# KiCad board Koca.kicad_pcb
title: Lily58 Koca; date: 2025-02-14; rev: 3
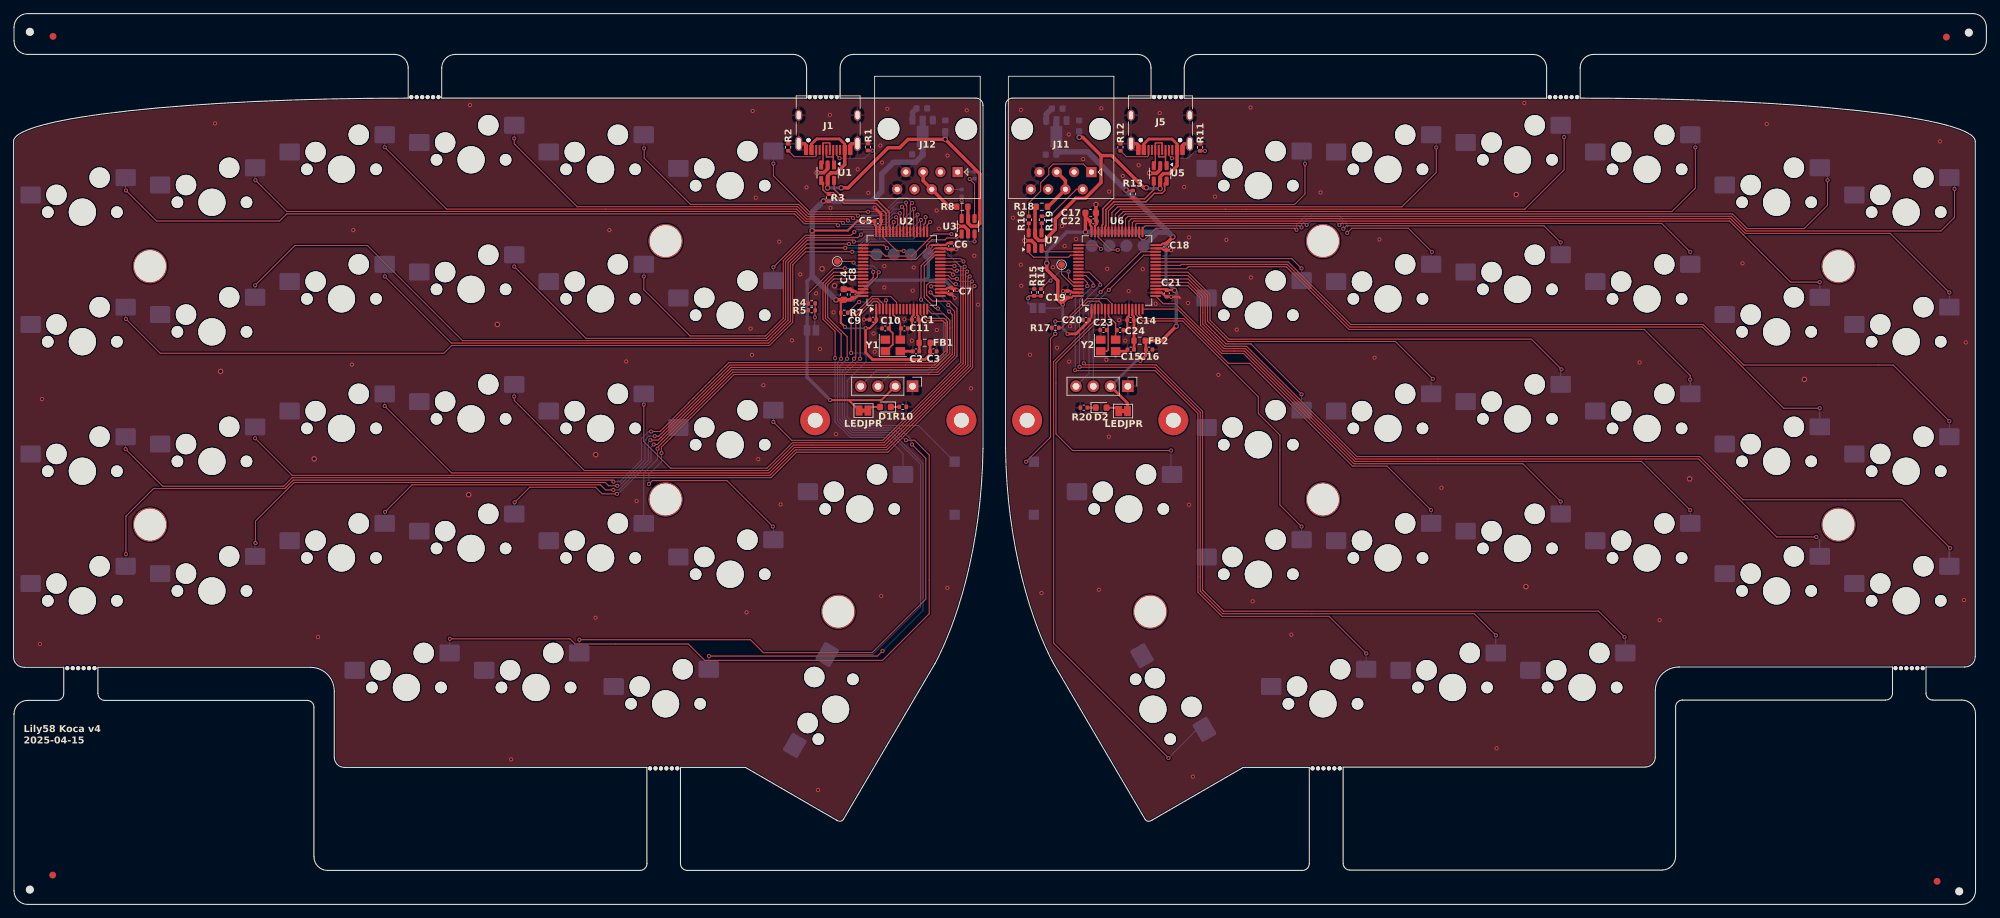
[diagram p0: board, top side]
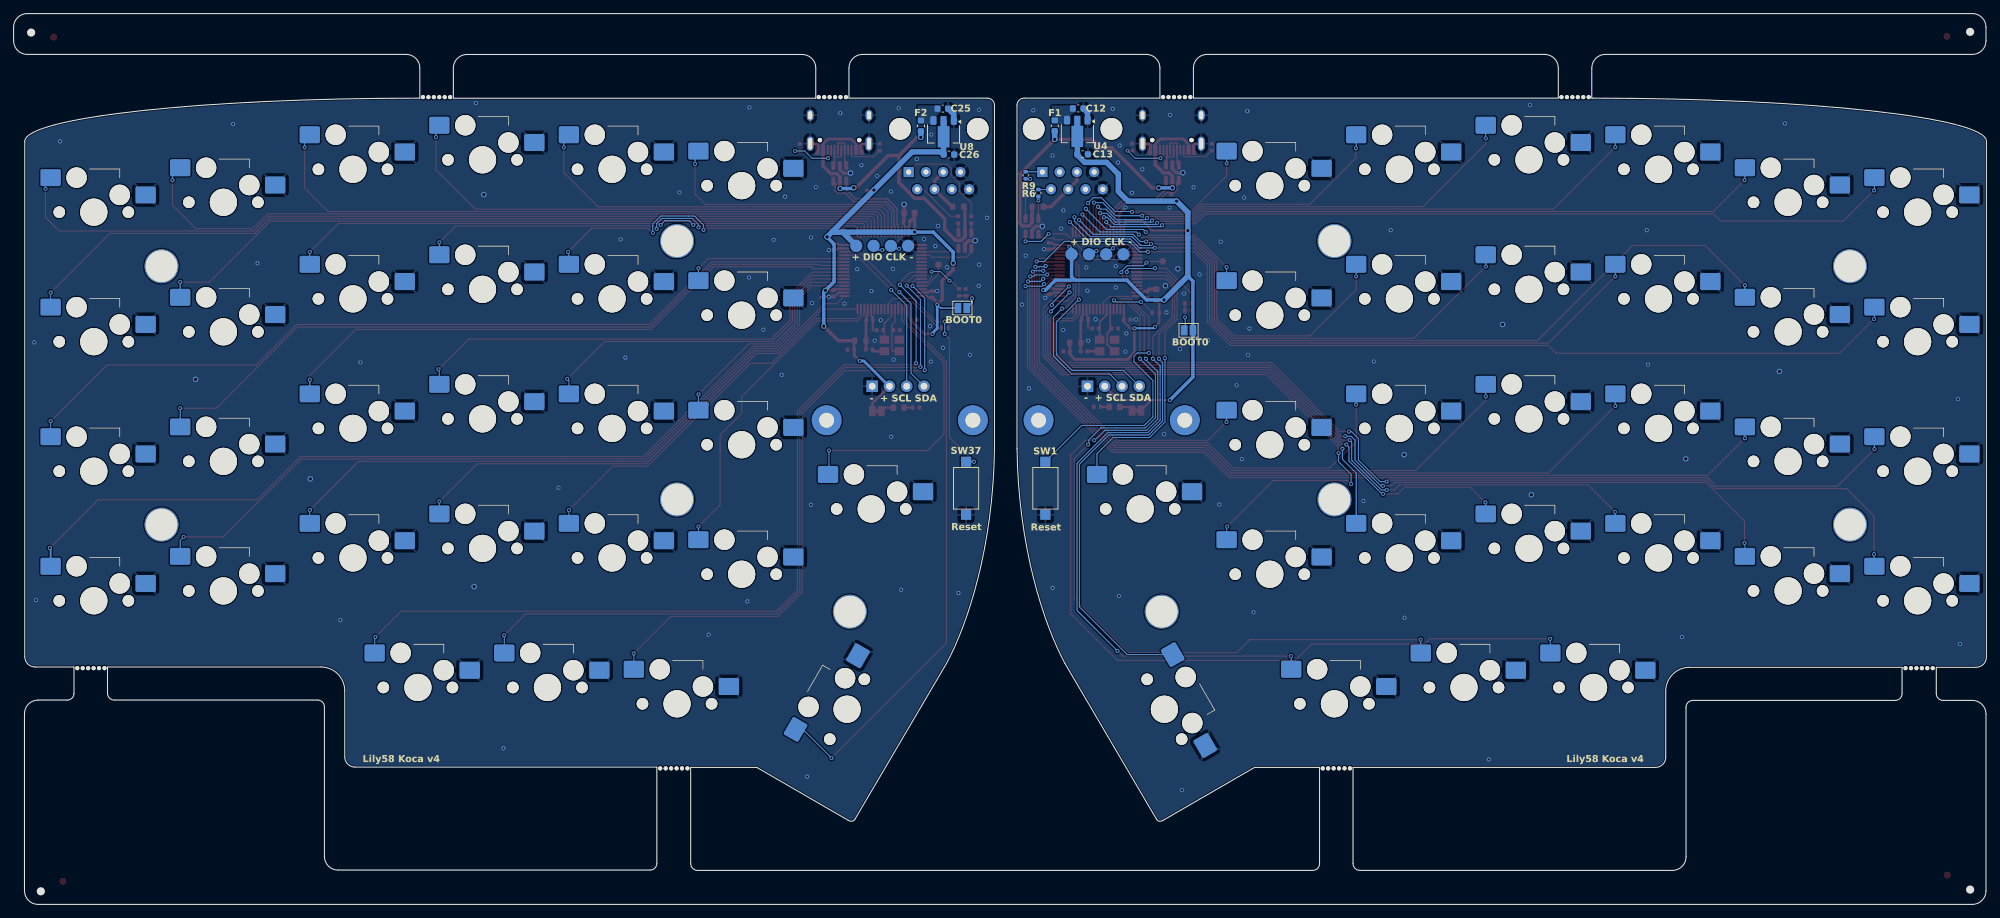
[diagram p1: board, bottom side, seen from below]

Outline 290.06 x 131 mm; copper layers: Top, Bottom. Coordinates in mm from the lower left corner of the outline.
Outline path: 0,36.37 0,112.22 ; 1.56,34.87 7.37,34.87 7.37,31 arc(7.08,30.29) 6.37,30 2.06,30 arc(0.65,29.41) 0.06,28 0.06,2 arc(0.65,0.59) 2.06,0 286.46,0 arc(287.87,0.59) 288.46,2 288.46,28.05 arc(287.87,29.46) 286.46,30.05 282.18,30.05 arc(281.47,30.34) 281.18,31.05 281.18,34.91 286.87,34.91 ; 43.65,34.87 12.4,34.87 12.4,31 arc(12.69,30.29) 13.4,30 43.16,30 arc(43.87,29.71) 44.16,29 44.16,7 arc(44.75,5.59) 46.16,5 92.12,5 arc(92.83,5.29) 93.12,6 93.12,20.15 48.65,20.15 ; 47.15,21.62 47.15,31.37 ; 58.02,118.57 58.02,123 arc(57.43,124.41) 56.02,125 2.06,125 arc(0.65,125.59) 0.06,127 0.06,129 arc(0.65,130.41) 2.06,131 288.06,131 arc(289.47,130.41) 290.06,129 290.06,127 arc(289.47,125.59) 288.06,125 232.33,125 arc(230.92,124.41) 230.33,123 230.33,118.57 ; 121.01,12.39 107.6,20.15 98.05,20.15 98.05,6 arc(98.34,5.29) 99.05,5 189.51,5 arc(190.21,5.29) 190.5,6 190.5,20.15 180.77,20.15 167.37,12.39 ; 141.48,118.57 121.52,118.57 121.52,123 arc(122.1,124.41) 123.52,125 165.24,125 arc(166.65,124.41) 167.24,123 167.24,118.57 146.9,118.57 ; 122.02,12.53 135.47,35.42 ; 142.53,117.52 142.53,67.06 ; 145.85,67.06 145.85,117.52 ; 152.9,35.42 166.36,12.53 ; 239.87,20.19 195.48,20.19 195.48,6.05 arc(195.78,5.34) 196.48,5.05 242.36,5.05 arc(243.77,5.63) 244.36,7.05 244.36,29.05 arc(244.65,29.75) 245.36,30.05 275.25,30.05 arc(275.96,30.34) 276.25,31.05 276.25,34.91 244.87,34.91 ; 241.37,21.67 241.37,31.41 ; 288.42,112.22 288.42,36.46 ; 62.95,123 arc(63.53,124.41) 64.95,125 114.59,125 arc(116,124.41) 116.59,123 116.59,118.57 62.95,118.57 62.95,123 ; 172.11,122.99 arc(172.7,124.4) 174.11,124.99 223.4,124.99 arc(224.82,124.4) 225.4,122.99 225.4,118.56 172.11,118.56 172.11,122.99
Stack: Top 0.035mm / dielectric 1.51mm FR4 er 4.5 / Bottom 0.035mm

## Placement (name value [footprint] x y rotation side)
C1  10n  [C_0402_1005Metric]  132.56 86 180 top
C2  1u  [C_0402_1005Metric]  132.69 81.33 180 top
C3  1u  [C_0402_1005Metric]  135.23 81.33 0 top
C4  10u  [C_0603_1608Metric]  122.06 89.7 90 top
C5  100n  [C_0402_1005Metric]  127.06 100.5 0 top
C6  100n  [C_0402_1005Metric]  137.86 96.8 270 top
C7  100n  [C_0402_1005Metric]  137.86 90.2 270 top
C8  100n  [C_0402_1005Metric]  123.36 89.7 90 top
C9  100n  [C_0402_1005Metric]  126.36 86 180 top
C10  30p  [C_0402_1005Metric]  128.16 84.7 180 top
C11  30p  [C_0402_1005Metric]  130.98 84.7 0 top
C12  22u  [C_0603_1608Metric]  133.53 117.05 180 bottom
C13  22u  [C_0603_1608Metric]  132.88 110.3 180 bottom
C14  10n  [C_0402_1005Metric]  164.22 85.92 180 top
C15  1u  [C_0402_1005Metric]  164.26 81.6 180 top
C16  1u  [C_0402_1005Metric]  166.96 81.6 0 top
C17  10u  [C_0603_1608Metric]  158.36 101.7 0 top
C18  100n  [C_0402_1005Metric]  169.49 96.7 270 top
C19  100n  [C_0402_1005Metric]  154.99 89.72 90 top
C20  100n  [C_0402_1005Metric]  157.69 85.97 180 top
C21  100n  [C_0402_1005Metric]  169.55 89.86 270 top
C22  100n  [C_0402_1005Metric]  158.76 100.45 0 top
C23  30p  [C_0402_1005Metric]  160.25 84.47 180 top
C24  30p  [C_0402_1005Metric]  162.69 84.45 0 top
C25  22u  [C_0603_1608Metric]  153.44 117.03 180 bottom
C26  22u  [C_0603_1608Metric]  152.53 110.28 180 bottom
D1  WHITE  [LED_0603_1608Metric]  128.19 73.15 180 top
D2  WHITE  [LED_0603_1608Metric]  159.91 73.05 0 top
F1  Polyfuse  [Fuse_0603_1608Metric]  136.99 114.51 90 bottom
F2  Polyfuse  [Fuse_0603_1608Metric]  156.66 114.5 90 bottom
FB1  120R  [R_0603_1608Metric]  133.96 82.6 0 top
FB2  120R  [R_0603_1608Metric]  165.56 82.9 0 top
FID1  Fiducial  [Fiducial_1mm_Mask2mm]  5.74 4.31 0 top
FID2  Fiducial  [Fiducial_1mm_Mask2mm]  282.81 3.4 0 top
FID3  Fiducial  [Fiducial_1mm_Mask2mm]  284.18 127.55 0 top
FID4  Fiducial  [Fiducial_1mm_Mask2mm]  5.8 127.65 0 top
H1  tab  [MouseBite]  9.89 34.89 0 top
H2  tab  [MouseBite]  95.58 20.16 0 top
H3  SMALL_HOLE  [MountingHole_2.2mm_M2_Pad]  170.52 71.2 0 top
H4  SMALL_HOLE  [MountingHole_2.2mm_M2_Pad]  149.02 71.2 0 top
H5  tab  [MouseBite]  192.99 20.16 0 top
H6  tab  [MouseBite]  278.7 34.89 0 top
H7  SMALL_HOLE  [MountingHole_2.2mm_M2_Pad]  139.36 71.2 0 top
H8  SMALL_HOLE  [MountingHole_2.2mm_M2_Pad]  117.86 71.2 0 top
H9  tab  [MouseBite]  60.47 118.56 180 top
H10  tab  [MouseBite]  119.05 118.56 180 top
H11  tab  [MouseBite]  169.68 118.56 180 top
H12  tab  [MouseBite]  227.87 118.56 180 top
H13  HOLE  [Standoff_Hole]  192.52 59.55 0 top
H14  HOLE  [Standoff_Hole]  192.52 97.55 0 top
H15  HOLE  [Standoff_Hole]  95.86 59.55 0 top
H16  ToolingHole  [SMD_Tooling_Hole]  2.39 2.18 0 top
H17  ToolingHole  [SMD_Tooling_Hole]  286.06 1.92 0 top
H18  HOLE  [Standoff_Hole]  95.86 97.55 0 top
H19  HOLE  [Standoff_Hole]  268.32 55.85 0 top
H20  HOLE  [Standoff_Hole]  167.12 43.05 0 top
H21  ToolingHole  [SMD_Tooling_Hole]  287.48 128.21 0 top
H22  ToolingHole  [SMD_Tooling_Hole]  2.39 128.31 0 top
H23  HOLE  [Standoff_Hole]  268.32 93.85 0 top
H24  HOLE  [Standoff_Hole]  121.26 43.05 0 top
H25  HOLE  [Standoff_Hole]  20.06 55.85 0 top
H26  HOLE  [Standoff_Hole]  20.06 93.85 0 top
J1  USB_C_Receptacle_USB2.0_16P  [USB_TYPE-C-31-M-12]  119.76 115 180 top
J2  Conn_01x04_Pin  [SWD_POGO]  130.69 95.6 0 bottom
J3  Conn_01x04_Pin  [PinHeader_1x04_P2.54mm_Vertical]  132.17 76.2 270 top
J5  USB_C_Receptacle_USB2.0_16P  [USB_TYPE-C-31-M-12]  168.62 115 180 top
J6  Conn_01x04_Pin  [SWD_POGO]  162.35 96.85 0 bottom
J7  Conn_01x04_Pin  [PinHeader_1x04_P2.54mm_Vertical]  163.83 76.2 270 top
J11  RJ45  [RJ45_Amphenol_54602-x08_Horizontal]  154.02 111.7 180 top
J12  RJ45  [RJ45_Amphenol_54602-x08_Horizontal]  134.36 111.7 180 top
JP1  SolderJumper_2_Open  [SolderJumper-2_P1.3mm_Open_Pad1.0x1.5mm]  117.31 84.42 0 bottom
JP2  SolderJumper_2_Open  [SolderJumper-2_P1.3mm_Bridged_Pad1.0x1.5mm]  124.96 72.62 0 top
JP3  SolderJumper_2_Open  [SolderJumper-2_P1.3mm_Open_Pad1.0x1.5mm]  150.56 87.7 180 bottom
JP4  SolderJumper_2_Open  [SolderJumper-2_P1.3mm_Bridged_Pad1.0x1.5mm]  163.13 72.55 180 top
R1  5k1  [R_0402_1005Metric]  125.61 111.38 270 top
R2  5k1  [R_0402_1005Metric]  113.88 111.35 270 top
R3  1k5  [R_0402_1005Metric]  119.86 103.92 90 top
R4  10k  [R_0402_1005Metric]  117.35 88.38 0 top
R5  10k  [R_0402_1005Metric]  117.35 87.37 0 top
R6  470  [R_0402_1005Metric]  139.38 104.62 270 bottom
R7  10k  [R_0402_1005Metric]  122.13 87.01 180 top
R8  4.7  [R_0603_1608Metric]  139.49 102.6 0 top
R9  470  [R_0402_1005Metric]  141.26 107.22 270 bottom
R10  10k  [R_0402_1005Metric]  130.74 73.18 0 top
R11  5k1  [R_0402_1005Metric]  174.46 111.33 270 top
R12  5k1  [R_0402_1005Metric]  162.74 111.35 270 top
R13  1k5  [R_0402_1005Metric]  164.56 104.47 270 top
R14  10k  [R_0402_1005Metric]  151.06 90 270 top
R15  10k  [R_0402_1005Metric]  150.06 90 270 top
R16  470  [R_0402_1005Metric]  149.26 100.67 270 top
R17  10k  [R_0402_1005Metric]  153.16 84.8 180 top
R18  4.7  [R_0603_1608Metric]  151.19 102.6 180 top
R19  470  [R_0402_1005Metric]  151.19 100.69 270 top
R20  10k  [R_0402_1005Metric]  157.36 73.05 180 top
SW1  SW_Push  [SW_SPST_CK_RS282G05A3]  138.36 61.2 90 bottom
SW2  SW_Push  [MX_Hotswap]  10.11 101.8 180 bottom
SW3  SW_Push  [MX_Hotswap]  29.16 103.25 180 bottom
SW4  SW_Push  [MX_Hotswap]  48.21 108.1 180 bottom
SW5  SW_Push  [MX_Hotswap]  67.26 109.5 180 bottom
SW6  SW_Push  [MX_Hotswap]  86.31 108.1 180 bottom
SW7  SW_Push  [MX_Hotswap]  105.36 105.7 180 bottom
SW8  SW_Push  [MX_Hotswap]  10.11 82.75 180 bottom
SW9  SW_Push  [MX_Hotswap]  29.16 84.2 180 bottom
SW10  SW_Push  [MX_Hotswap]  48.21 89.05 180 bottom
SW11  SW_Push  [MX_Hotswap]  67.26 90.45 180 bottom
SW12  SW_Push  [MX_Hotswap]  86.31 89.05 180 bottom
SW13  SW_Push  [MX_Hotswap]  105.36 86.65 180 bottom
SW14  SW_Push  [MX_Hotswap]  10.11 63.7 180 bottom
SW15  SW_Push  [MX_Hotswap]  29.16 65.15 180 bottom
SW16  SW_Push  [MX_Hotswap]  48.21 70 180 bottom
SW17  SW_Push  [MX_Hotswap]  67.26 71.4 180 bottom
SW18  SW_Push  [MX_Hotswap]  86.31 70 180 bottom
SW19  SW_Push  [MX_Hotswap]  105.36 67.6 180 bottom
SW20  SW_Push  [MX_Hotswap]  10.11 44.65 180 bottom
SW21  SW_Push  [MX_Hotswap]  29.16 46.1 180 bottom
SW22  SW_Push  [MX_Hotswap]  48.21 50.95 180 bottom
SW23  SW_Push  [MX_Hotswap]  67.26 52.35 180 bottom
SW24  SW_Push  [MX_Hotswap]  86.31 50.95 180 bottom
SW25  SW_Push  [MX_Hotswap]  105.36 48.55 180 bottom
SW26  SW_Push  [MX_Hotswap]  57.76 31.9 180 bottom
SW27  SW_Push  [MX_Hotswap]  76.81 31.9 180 bottom
SW28  SW_Push  [MX_Hotswap]  95.86 29.5 180 bottom
SW29  SW_Push  [MX_Hotswap]  120.86 28.7 240 bottom
SW30  SW_Push  [MX_Hotswap]  124.41 58.15 180 bottom
SW31  SW_Push  [MX_Hotswap]  183.02 105.7 180 bottom
SW32  SW_Push  [MX_Hotswap]  202.07 108.1 180 bottom
SW33  SW_Push  [MX_Hotswap]  221.12 109.5 180 bottom
SW34  SW_Push  [MX_Hotswap]  240.17 108.1 180 bottom
SW35  SW_Push  [MX_Hotswap]  259.22 103.25 180 bottom
SW36  SW_Push  [MX_Hotswap]  278.27 101.8 180 bottom
SW37  SW_Push  [SW_SPST_CK_RS282G05A3]  150.02 61.2 90 bottom
SW38  SW_Push  [MX_Hotswap]  183.02 86.65 180 bottom
SW39  SW_Push  [MX_Hotswap]  202.07 89.05 180 bottom
SW40  SW_Push  [MX_Hotswap]  221.12 90.45 180 bottom
SW41  SW_Push  [MX_Hotswap]  240.17 89.05 180 bottom
SW42  SW_Push  [MX_Hotswap]  259.22 84.2 180 bottom
SW43  SW_Push  [MX_Hotswap]  278.27 82.75 180 bottom
SW44  SW_Push  [MX_Hotswap]  183.02 67.6 180 bottom
SW45  SW_Push  [MX_Hotswap]  202.07 70 180 bottom
SW46  SW_Push  [MX_Hotswap]  221.12 71.4 180 bottom
SW47  SW_Push  [MX_Hotswap]  240.17 70 180 bottom
SW48  SW_Push  [MX_Hotswap]  259.22 65.15 180 bottom
SW49  SW_Push  [MX_Hotswap]  278.27 63.7 180 bottom
SW50  SW_Push  [MX_Hotswap]  183.02 48.55 180 bottom
SW51  SW_Push  [MX_Hotswap]  202.07 50.95 180 bottom
SW52  SW_Push  [MX_Hotswap]  221.12 52.35 180 bottom
SW53  SW_Push  [MX_Hotswap]  240.17 50.95 180 bottom
SW54  SW_Push  [MX_Hotswap]  259.22 46.1 180 bottom
SW55  SW_Push  [MX_Hotswap]  278.27 44.65 180 bottom
SW56  SW_Push  [MX_Hotswap]  163.97 58.15 180 bottom
SW57  SW_Push  [MX_Hotswap]  167.52 28.7 120 bottom
SW58  SW_Push  [MX_Hotswap]  192.52 29.5 180 bottom
SW59  SW_Push  [MX_Hotswap]  211.57 31.9 180 bottom
SW60  SW_Push  [MX_Hotswap]  230.62 31.9 180 bottom
TP1  TestPoint  [TestPoint_Pad_D1.0mm]  121.11 94.56 0 top
TP2  TestPoint  [TestPoint_Pad_D1.0mm]  154.08 94.07 0 top
U1  USBLC6-2SC6  [SOT-23-6]  119.69 107.6 270 top
U2  STM32F103RCTx  [LQFP-64_10x10mm_P0.5mm]  130.58 93.22 90 top
U3  USBLC6-2SC6  [SOT-23-6]  140.34 99.72 90 top
U4  AMS1117-3.3  [SOT-89-3]  133.66 113.38 270 bottom
U5  USBLC6-2SC6  [SOT-23-6]  168.59 107.5 270 top
U6  STM32F103RCTx  [LQFP-64_10x10mm_P0.5mm]  162.24 93.22 90 top
U7  USBLC6-2SC6  [SOT-23-6]  150.19 97.61 90 top
U8  AMS1117-3.3  [SOT-89-3]  153.32 113.33 270 bottom
Y1  12Mhz  [Crystal_SMD_3225-4Pin_3.2x2.5mm]  129.28 82.2 0 top
Y2  12Mhz  [Crystal_SMD_3225-4Pin_3.2x2.5mm]  160.94 82.2 0 top

## Library data of the parts
C1-C26 = -: ki_fp_filters: C_*
D1 D2 = -: ki_fp_filters: LED* LED_SMD:* LED_THT:*
F1 F2 = -: Description: Resettable fuse, polymeric positive temperature coefficient; ki_fp_filters: *polyfuse* *PTC*
FB1 FB2 = -: ki_fp_filters: Inductor_* L_* *Ferrite*
FID1-FID4 = -: Description: Fiducial Marker; ki_fp_filters: Fiducial*
H1-H15 H18-H20 H23-H26 J2 J3 J6 J7 = -: ki_fp_filters: Connector*:*_1x??_*
H16 H17 H21 H22 = -: Description: Mounting Hole without connection; ki_fp_filters: MountingHole*
J1 J5 = -: Datasheet: https://www.usb.org/sites/default/files/documents/usb_type-c.zip; Description: USB 2.0-only 16P Type-C Receptacle connector; ki_fp_filters: USB*C*Receptacle*
J11 J12 = -: Datasheet: Amphenol ICC 54602-908LF; Description: RJ connector, 8P8C (8 positions 8 connected); ki_fp_filters: 8P8C* RJ31* RJ32* RJ33* RJ34* RJ35* RJ41* RJ45* RJ49* RJ61*
JP1-JP4 = -: ki_fp_filters: SolderJumper*Open*
R1-R5 R7 R10-R15 R17 R20 = -: ki_fp_filters: R_*
R6 R8 R9 R16 R18 R19 = -: Description: Resistor; ki_fp_filters: R_*
TP1 TP2 = -: Description: test point; ki_fp_filters: Pin* Test*
U1 U3 U5 U7 = -: Datasheet: https://www.st.com/resource/en/datasheet/usblc6-2.pdf; LCSC: C7519; ki_fp_filters: SOT?23*
U2 U6 = -: Datasheet: https://www.st.com/resource/en/datasheet/stm32f103rc.pdf; Description: STMicroelectronics Arm Cortex-M3 MCU, 256KB flash, 48KB RAM, 72 MHz, 2.0-3.6V, 51 GPIO, LQFP64; ki_fp_filters: LQFP*10x10mm*P0.5mm*
U4 U8 = -: Datasheet: http://www.advanced-monolithic.com/pdf/ds1117.pdf; ki_fp_filters: SOT?223*TabPin2*
Y1 Y2 = -: Description: TAXM8M4RFDCET2T; ki_fp_filters: Crystal*

## Footprints (pads in the part's own frame, mm; a bottom-side part is the same pattern mirrored in y, then rotated)
C_0402_1005Metric
  rrect 0.56x0.62 smd: 1(-0.48,0) 2(0.48,0)
C_0603_1608Metric
  rrect 0.9x0.95 smd: 1(-0.775,0) 2(0.775,0)
Crystal_SMD_3225-4Pin_3.2x2.5mm
  rect 1.4x1.2 smd: 1(-1.1,-0.85) 2(1.1,-0.85) 3(1.1,0.85) 4(-1.1,0.85)
Fiducial_1mm_Mask2mm
  round 1 smd: (0,0)
Fuse_0603_1608Metric
  rrect 0.875x0.95 smd: 1(-0.787,0) 2(0.787,0)
LED_0603_1608Metric
  rrect 0.875x0.95 smd: 1(-0.787,0) 2(0.787,0)
LQFP-64_10x10mm_P0.5mm
  rrect 1.55x0.3 smd: 1(-5.675,3.75) 2(-5.675,3.25) 3(-5.675,2.75) 4(-5.675,2.25) 5(-5.675,1.75) 6(-5.675,1.25) 7(-5.675,0.75) 8(-5.675,0.25) 9(-5.675,-0.25) 10(-5.675,-0.75) 11(-5.675,-1.25) 12(-5.675,-1.75) 13(-5.675,-2.25) 14(-5.675,-2.75) 15(-5.675,-3.25) 16(-5.675,-3.75) 33(5.675,-3.75) 34(5.675,-3.25) 35(5.675,-2.75) 36(5.675,-2.25) 37(5.675,-1.75) 38(5.675,-1.25) 39(5.675,-0.75) 40(5.675,-0.25) 41(5.675,0.25) 42(5.675,0.75) 43(5.675,1.25) 44(5.675,1.75) 45(5.675,2.25) 46(5.675,2.75) 47(5.675,3.25) 48(5.675,3.75)
  rrect 0.3x1.55 smd: 17(-3.75,-5.675) 18(-3.25,-5.675) 19(-2.75,-5.675) 20(-2.25,-5.675) 21(-1.75,-5.675) 22(-1.25,-5.675) 23(-0.75,-5.675) 24(-0.25,-5.675) 25(0.25,-5.675) 26(0.75,-5.675) 27(1.25,-5.675) 28(1.75,-5.675) 29(2.25,-5.675) 30(2.75,-5.675) 31(3.25,-5.675) 32(3.75,-5.675) 49(3.75,5.675) 50(3.25,5.675) 51(2.75,5.675) 52(2.25,5.675) 53(1.75,5.675) 54(1.25,5.675) 55(0.75,5.675) 56(0.25,5.675) 57(-0.25,5.675) 58(-0.75,5.675) 59(-1.25,5.675) 60(-1.75,5.675) 61(-2.25,5.675) 62(-2.75,5.675) 63(-3.25,5.675) 64(-3.75,5.675)
MountingHole_2.2mm_M2_Pad
  round 4.4 hole 2.2: 1(0,0)
MouseBite
  round 0.6 hole 0.6 unplated: (-2,-0.15) (-1.2,-0.15) (-0.4,-0.15) (0.4,-0.15) (1.2,-0.15) (2,-0.15)
MX_Hotswap
  round 1.7 hole 1.7 unplated: (-5.08,0) (5.08,0)
  round 3 hole 3 unplated: (-2.54,5.08) (3.81,2.54)
  round 4 hole 4 unplated: (0,0)
  rrect 3x2.5 smd: 1(7.62,2.54) 2(-6.35,5.08)
PinHeader_1x04_P2.54mm_Vertical
  rect 1.7x1.7 hole 1: 1(0,0)
  oval 1.7x1.7 hole 1: 2(0,-2.54) 3(0,-5.08) 4(0,-7.62)
R_0402_1005Metric
  rrect 0.54x0.64 smd: 1(-0.51,0) 2(0.51,0)
R_0603_1608Metric
  rrect 0.8x0.95 smd: 1(-0.825,0) 2(0.825,0)
RJ45_Amphenol_54602-x08_Horizontal
  round 3.2 hole 3.2 unplated: (-5.715,-2.35) (5.715,-2.35)
  rect 1.5x1.5 hole 0.76: 1(-4.445,4)
  round 1.5 hole 0.76: 2(-3.175,6.54) 3(-1.905,4) 4(-0.635,6.54) 5(0.635,4) 6(1.905,6.54) 7(3.175,4) 8(4.445,6.54)
SolderJumper-2_P1.3mm_Bridged_Pad1.0x1.5mm
  rect 1x1.5 smd: 1(-0.65,0) 2(0.65,0)
SolderJumper-2_P1.3mm_Open_Pad1.0x1.5mm
  rect 1x1.5 smd: 1(-0.65,0) 2(0.65,0)
SOT-23-6
  rrect 1.325x0.6 smd: 1(-1.137,0.95) 2(-1.137,0) 3(-1.137,-0.95) 4(1.137,-0.95) 5(1.137,0) 6(1.137,0.95)
SOT-89-3
  rrect 1.3x0.9 smd: 1(-1.95,1.5) 3(-1.95,-1.5)
  custom 4.6x1.733 smd: 2(-1.863,0)
Standoff_Hole
  round 5 hole 4.65: 1(0,0)
SW_SPST_CK_RS282G05A3
  rect 1.5x1.5 smd: 1(-3.9,0) 2(3.9,0)
SWD_POGO
  round 1.8 smd: 1(-3.81,0) 2(-1.27,0) 3(1.27,0) 4(3.81,0)
TestPoint_Pad_D1.0mm
  round 1 smd: 1(0,0)
USB_TYPE-C-31-M-12
  round 0.65 hole 0.65 unplated: (-2.89,2.6) (2.89,2.6)
  rect 0.6x1.45 smd: A1(-3.25,4.045) A4(-2.45,4.045) A9(2.45,4.045) A12(3.25,4.045) B1(3.25,4.045) B4(2.45,4.045) B9(-2.45,4.045) B12(-3.25,4.045)
  rect 0.3x1.45 smd: A5(-1.25,4.045) A6(-0.25,4.045) A7(0.25,4.045) A8(1.25,4.045) B5(1.75,4.045) B6(0.75,4.045) B7(-0.75,4.045) B8(-1.75,4.045)
  oval 1x2.1 hole 0.6x1.7: S1(-4.32,3.13) S1(4.32,3.13)
  oval 1x1.6 hole 0.6x1.2: S1(-4.32,-1.05) S1(4.32,-1.05)

## Nets
+3.3VA: C16.1 C17.1 C18.1 C19.1 C20.1 C21.1 C22.1 C26.1 FB2.2 J6.4 J7.2 JP3.1 JP4.1 R13.1 U6.1 U6.19 U6.32 U6.48 U6.64 U8.2
+3V3: C3.1 C4.1 C5.1 C6.1 C7.1 C8.1 C9.1 C13.1 FB1.2 J2.4 J3.2 JP1.1 JP2.1 R3.1 R7.2 U2.1 U2.19 U2.32 U2.48 U2.64 U4.2
+5V: C12.1 F1.2 U4.3
+5VA: C25.1 F2.2 U8.3
/VDDA_L: C1.1 C2.1 FB1.1 U2.13
/VDDA_R: C14.1 C15.1 FB2.1 U6.13
GND: C1.2 C2.2 C3.2 C4.2 C5.2 C6.2 C7.2 C8.2 C9.2 C10.2 C11.2 C12.2 C13.2 J1.A1 J1.A12 J1.B1 J1.B12 J1.S1 J2.1 J3.1 J12.7 J12.8 R1.1 R2.1 R5.1 R10.2 SW1.1 SW2.1 SW3.1 SW4.1 SW5.1 SW6.1 SW7.1 SW8.1 SW9.1 SW10.1 SW11.1 SW12.1 SW13.1 SW14.1 SW15.1 SW16.1 SW17.1 SW18.1 SW19.1 SW20.1 SW21.1 SW22.1 SW23.1 SW24.1 SW25.1 SW26.1 SW27.1 SW28.1 SW29.1 SW30.1 U1.2 U2.12 U2.18 U2.31 U2.47 U2.63 U3.2 U4.1 Y1.2 Y1.4
GNDA: C14.2 C15.2 C16.2 C17.2 C18.2 C19.2 C20.2 C21.2 C22.2 C23.2 C24.2 C25.2 C26.2 J5.A1 J5.A12 J5.B1 J5.B12 J5.S1 J6.1 J7.1 J11.7 J11.8 R11.1 R12.1 R15.1 R17.2 R20.2 SW31.1 SW32.1 SW33.1 SW34.1 SW35.1 SW36.1 SW37.1 SW38.1 SW39.1 SW40.1 SW41.1 SW42.1 SW43.1 SW44.1 SW45.1 SW46.1 SW47.1 SW48.1 SW49.1 SW50.1 SW51.1 SW52.1 SW53.1 SW54.1 SW55.1 SW56.1 SW57.1 SW58.1 SW59.1 SW60.1 U5.2 U6.12 U6.18 U6.31 U6.47 U6.63 U7.2 U8.1 Y2.2 Y2.4
VBUS: F2.1 J5.A4 J5.A9 J5.B4 J5.B9 R18.2 U5.5 U7.5
/B0_L: R4.1 U2.60
/B0_R: R14.1 U6.60
/JMP_BOOT0_L: JP1.2 R4.2 R5.2
/JMP_BOOT0_R: JP3.2 R14.2 R15.2
/L_A: D1.2 JP2.2
/L_CC1: J1.A5 R1.2
/L_CC2: J1.B5 R2.2
/L_K: D1.1 R10.1
/LCON_V: J12.4 J12.5 R8.1
/NRST_L: SW1.2 U2.7
/NRST_R: SW37.2 U6.7
/R_A: D2.2 JP4.2
/R_CC1: J5.A5 R11.2
/R_CC2: J5.B5 R12.2
/R_K: D2.1 R20.1
/RCON_V: J11.4 J11.5 R18.1
/SCL_L: J3.3 U2.29
/SCL_R: J7.3 U6.29
/SDA_L: J3.4 U2.30
/SDA_R: J7.4 U6.30
/SIDE_L: R7.1 U2.4
/SIDE_R: R17.1 U6.4
/SWCLK_L: J2.2 U2.49
/SWCLK_R: J6.2 U6.49
/SWDIO_L: J2.3 U2.46
/SWDIO_R: J6.3 U6.46
CON_RX_L: J12.2 R6.1
CON_RX_R: J11.1 R16.1
CON_TX_L: J12.1 R9.1
CON_TX_R: J11.2 R19.1
HSE_IN_L: C10.1 U2.5 Y1.1
HSE_IN_R: C23.1 U6.5 Y2.1
HSE_OUT_L: C11.1 U2.6 Y1.3
HSE_OUT_R: C24.1 U6.6 Y2.3
L0: SW2.2 U2.43
L1: SW3.2 U2.42
L2: SW4.2 U2.41
L3: SW5.2 U2.40
L4: SW6.2 U2.39
L5: SW7.2 U2.38
L6: SW8.2 U2.28
L7: SW9.2 U2.34
L8: SW10.2 U2.33
L9: SW11.2 U2.35
L10: SW12.2 U2.36
L11: SW13.2 U2.37
L12: SW14.2 U2.22
L13: SW15.2 U2.23
L14: SW16.2 U2.24
L15: SW17.2 U2.25
L16: SW18.2 U2.26
L17: SW19.2 U2.27
L18: SW20.2 U2.14
L19: SW21.2 U2.15
L20: SW22.2 U2.16
L21: SW23.2 U2.17
L22: SW24.2 U2.20
L23: SW25.2 U2.21
L24: SW26.2 U2.3
L25: SW27.2 U2.2
L26: SW28.2 U2.59
L27: SW29.2 U2.58
L28: SW30.2 U2.57
L_D+: R3.2 U1.4 U2.45
L_D-: U1.6 U2.44
LCON_D+: J1.A6 J1.B6 U1.3
LCON_D-: J1.A7 J1.B7 U1.1
R0: SW31.2 U6.43
R1: SW32.2 U6.42
R2: SW33.2 U6.41
R3: SW34.2 U6.40
R4: SW35.2 U6.39
R5: SW36.2 U6.38
R6: SW38.2 U6.28
R7: SW39.2 U6.34
R8: SW40.2 U6.33
R9: SW41.2 U6.35
R10: SW42.2 U6.36
R11: SW43.2 U6.37
R12: SW44.2 U6.22
R13: SW45.2 U6.23
R14: SW46.2 U6.24
R15: SW47.2 U6.25
R16: SW48.2 U6.26
R17: SW49.2 U6.27
R18: SW50.2 U6.14
R19: SW51.2 U6.15
R20: SW52.2 U6.16
R21: SW53.2 U6.17
R22: SW54.2 U6.20
R23: SW55.2 U6.21
R24: SW56.2 U6.3
R25: SW57.2 U6.2
R26: SW58.2 U6.59
R27: SW59.2 U6.58
R28: SW60.2 U6.57
R_D+: R13.2 U5.4 U6.45
R_D-: U5.6 U6.44
RCON_D+: J5.A6 J5.B6 U5.3
RCON_D-: J5.A7 J5.B7 U5.1
RX_L: U2.52 U3.1
RX_R: U6.52 U7.1
TP_L: TP1.1 U2.61
TP_R: TP2.1 U6.61
TX_L: U2.51 U3.3
TX_R: U6.51 U7.3
VDC: F1.1 J1.A4 J1.A9 J1.B4 J1.B9 R8.2 U1.5 U3.5
Net-(R6-Pad2): R6.2 U3.6
Net-(R9-Pad2): R9.2 U3.4
Net-(R16-Pad2): R16.2 U7.6
Net-(R19-Pad2): R19.2 U7.4

Pads without a net: H3 1; H4 1; H7 1; H8 1; H13 1; H14 1; H15 1; H18 1; H19 1; H20 1; H23 1; H24 1; H25 1; H26 1; J1 A8 B8; J5 A8 B8; J11 3 6; J12 3 6; U2 8 9 10 11 50 53 54 55 56 62; U6 8 9 10 11 50 53 54 55 56 62

## Via types
v1: diameter 0.6, hole 0.35, Top to Bottom, 278 vias
v2: diameter 0.8, hole 0.5, Top to Bottom, 31 vias
